# Altium PCB LAUNCHXL-F28379D-REV2.0.PcbDoc (part 3 of 4)
Units mil, origin at the board's own origin, x right, y up, seen from the top; angles counter-clockwise.
Board outline 5110 x 2300 mil, 6 copper layers (Top, GND, Route1, Route2, VDD, Bottom), stack 61.008 mil thick; 247 components, 311 nets, 1123 pads, 621 vias.
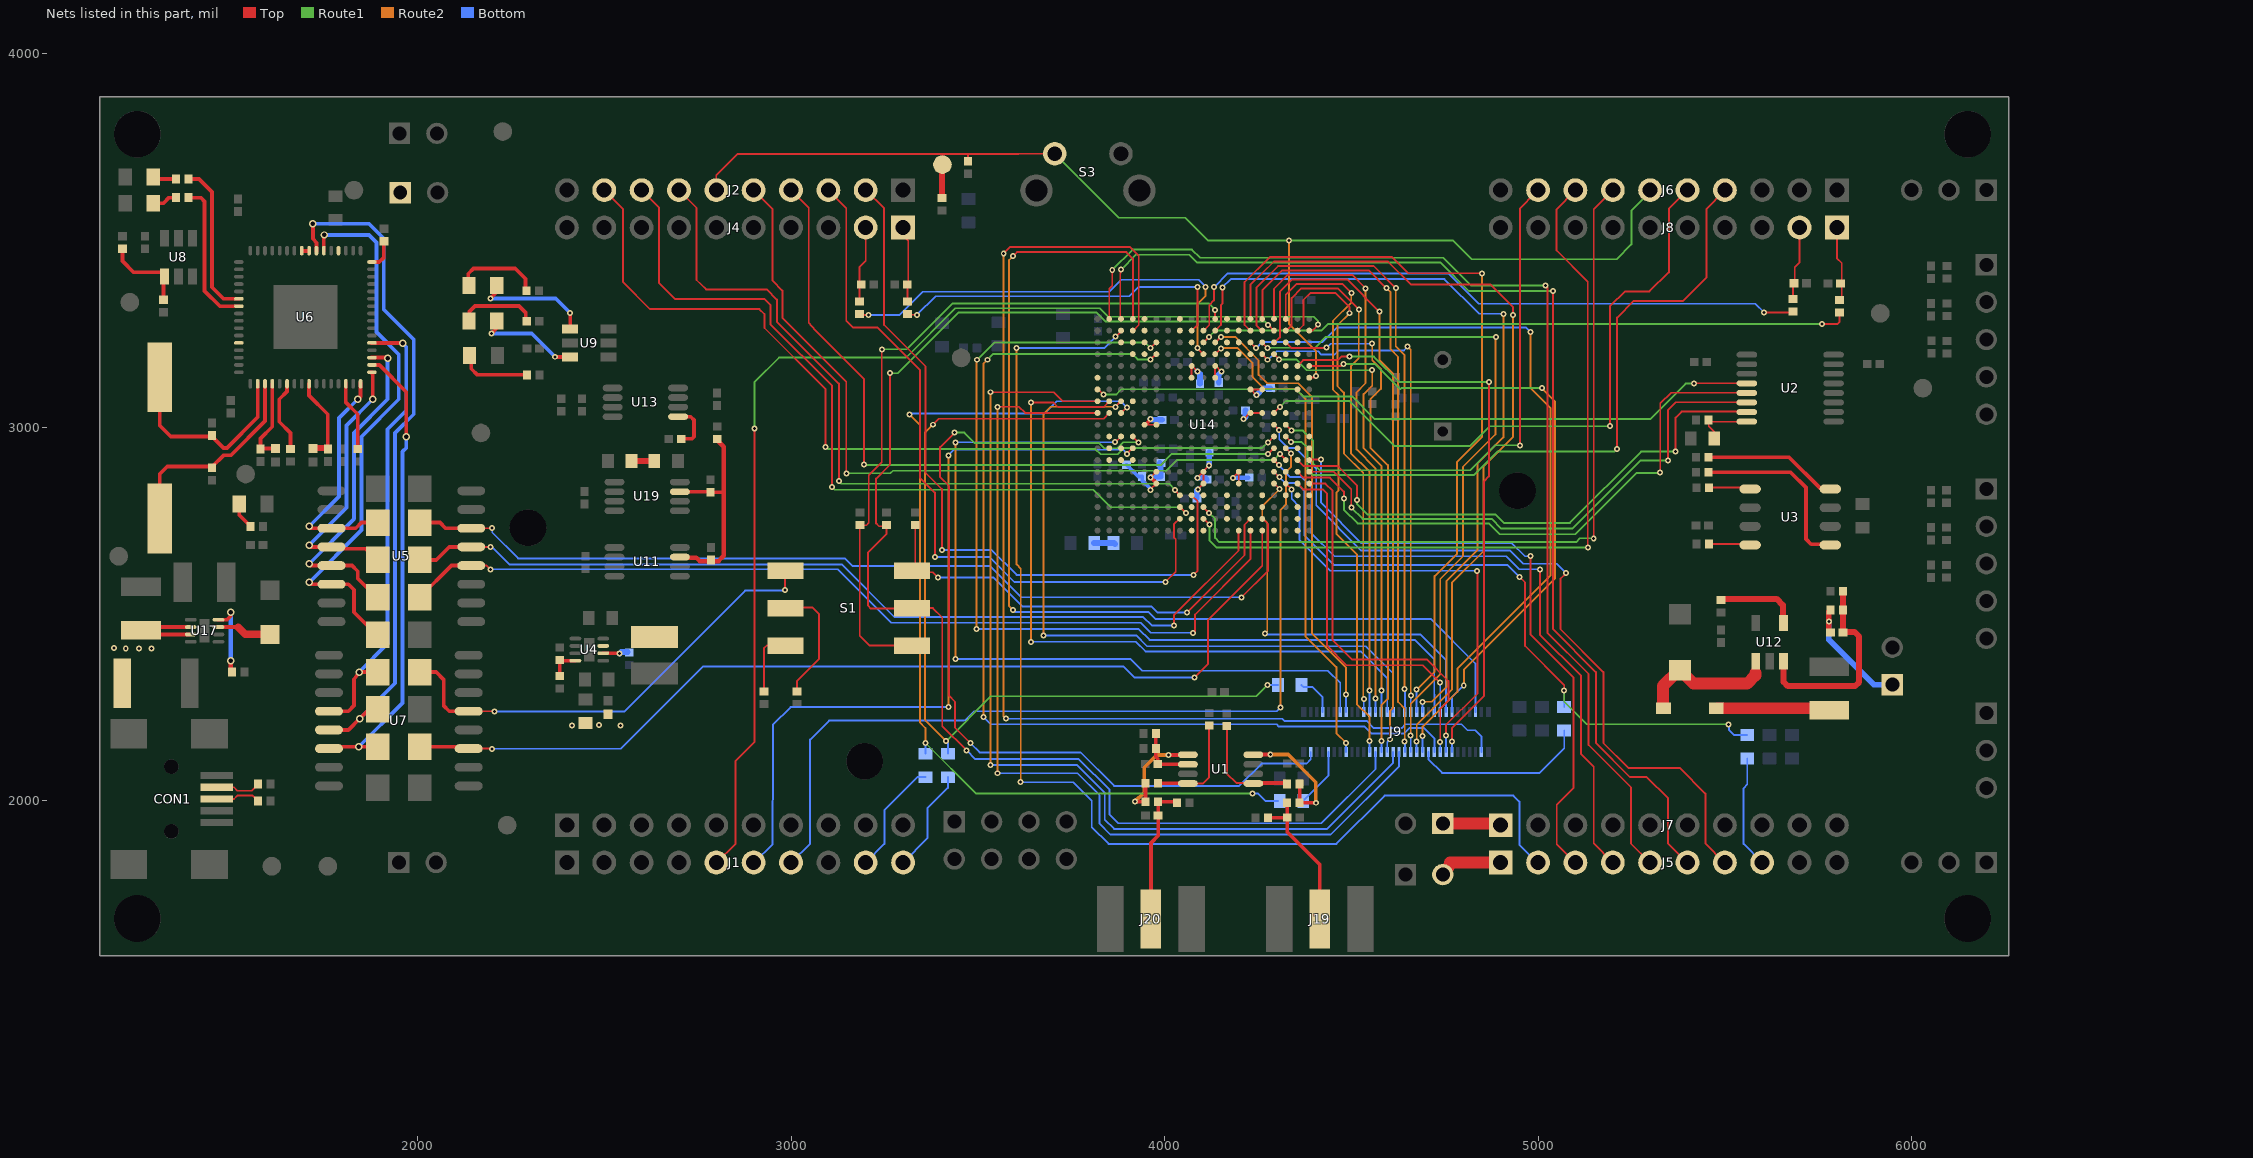
[diagram p7: the nets of this part, all layers, seen from the top]

## Via types
v1: diameter 16/16/16/16/16/16 (per signal layer), hole 8, Top to Bottom, tented both sides, 453 vias
v2: diameter 20/20/20/20/20/20 (per signal layer), hole 12, Top to Bottom, tented both sides, 122 vias
v3: diameter 16, hole 8, Top to Bottom, tented both sides, 22 vias
v4: diameter 20, hole 8, Top to Bottom, tented both sides, 16 vias
v5: diameter 23/23/23/23/23/23 (per signal layer), hole 15, Top to Bottom, tented both sides, 4 vias
v6: diameter 20, hole 12, Top to Bottom, tented both sides, 4 vias

## Nets (pads, with @x,y where several pads share a name; then routed paths per layer and width w, separated by ;. In a path a pad name is that pad's centre, name@x,y a point inside that pad or via, vN(x,y) a via of type N, cw(c..) or ccw(c..) an arc to the next point about the centre after c; other vN are vias at no path point) (continued)
GPIO46: J9.11 U14.E19 | length 1671.7
  Top w5: U14.E19@4387.5,3164.48 4472.98,3164.48 v1(4479.5,3170)
  Route1 w5: v1(4479.5,3170) 4563,3170 4631,3102 4634,3105 v1(5010,3105)
  Route2 w5: v1(4801,2309) 4801.5,2309.5 4801.5,2351.5 5045,2595 5045,3070 v1(5010,3105)
  Bottom w5: J9.11@4769.48,2237.85 4769.48,2278.02 4785.45,2293.72 ; 4785.45,2293.72 v1(4801,2309) 4800.73,2309 4785.45,2293.72
GPIO47: J9.12 U14.E18 | length 1582.8
  Top w5: U14.E18@4356.01,3164.48 4356.01,3165.01 4371,3180 4464,3180 4474,3190 4495,3190 v1(4495.5,3189.5) ; v1(4769.5,2158.5) 4769.5,2194.5 4855,2280 4855,2855 4868.5,2868.5 v1(4868.5,3121)
  Route1 w5: v1(4495.5,3189.5) 4560.5,3189.5 4629,3121 v1(4868.5,3121)
  Bottom w5: J9.12@4769.48,2131.15 4769.48,2155.98 v1(4769.5,2158.5)
GPIO48: J9.13 U14.R16 | length 1088.2
  Top w5: U14.R16@4293.02,2849.52 4293.48,2849.52 v1(4308,2835)
  Route2 w5: v1(4269,2448) 4275,2454 4275,2745 4261.57,2758.43 4261.5,2788.5 v1(4308,2835)
  Bottom w5: v1(4269,2448) 4269.5,2448 4272,2445.5 4684.5,2445.5 4753.73,2376.27 J9.13@4753.73,2237.85
GPIO49: J9.14 U14.R17 | length 1196
  Top w5: U14.R17@4324.51,2849.52 4324.51,2848.99 v1(4340.5,2834) ; v1(4753.5,2174.5) 4753.5,2203.5 4838,2287.5 4838,2614 v1(4836.5,2615.5)
  Bottom w5: v1(4340.5,2834) 4340.5,2808.5 4361,2788 4361,2699 4444,2616 4835,2616 v1(4836.5,2615.5) ; v1(4753.5,2174.5) 4753.73,2156.23 J9.14@4753.73,2131.15
GPIO50: J9.15 U14.R18 | length 920.1
  Top w5: U14.R18@4356.01,2849.52 4356.01,2848.99 4371,2834 4423,2834 4435,2822 4435,2415 4487,2363 4691.5,2363 v1(4738,2316.5)
  Bottom w5: J9.15@4737.98,2237.85 4737.98,2297.52 v1(4738,2316.5)
GPIO51: J9.16 U14.R19 | length 1024.7
  Top w5: U14.R19@4387.5,2849.52 4430.48,2849.52 4450,2830 4450,2430 4501,2379 4702,2379 4760,2321 4760,2268 4738,2246 v1(4738,2158)
  Bottom w5: J9.16@4737.98,2131.15 4737.98,2154.98 v1(4738,2158)
GPIO52: R77.1 R78.1 U14.P16 | length 1806.8
  Top w5: U14.P16@4293.02,2881.02 v1(4307.5,2866.5) ; v1(4950,2600) 4965,2585 4965,2415 5070,2310 v3(5070,2295)
  Route1 w5: v3(5070,2295) 5070,2265 5130,2205 v3(5510,2205)
  Bottom w5: v1(4307.5,2866.5) 4323,2851 4353,2851 4375,2829 4375,2710 4453,2632 4918,2632 v1(4950,2600) ; R78.1@5070,2251.5 v3(5070,2295) ; v3@5510.75,2205.75 5510.75,2190 5524.25,2176.5 R77.1@5560,2176.5
GPIO52/J5: J5.8 R77.2 | length 303.4
  Bottom w5: R77.2@5560,2113.5 5560,2044 5550,2034 5550,1885 J5.8@5600,1835
GPIO52/J9: J9.20 R78.2 | length 473.1
  Bottom w5: J9.20@4706.49,2131.15 4706.49,2111.49 4742.97,2075 5004,2075 5070,2141 R78.2@5070,2188.5
GPIO53: U14.P17
GPIO54: U2.5 U14.P18 | length 1566.5
  Top w5: U14.P18@4356.01,2881.02 4371.5,2865.5 4442.5,2865.5 4480,2828 v1(4480,2810) ; v1(5327,2879) 5327,3064.5 5356,3092.5 5559.86,3092.5 U2.5@5560,3092.64
  Route1 w5: v1(4480,2810) 4480,2780 4517,2743 4868,2743 4897,2714 5100,2714 5264,2878 5326,2878 v1(5327,2879)
GPIO55: U2.6 U14.P19 | length 1497.6
  Top w5: U14.P19@4387.5,2881.02 4452.98,2881.02 4500,2834 v1(4500,2785) ; 5347.5,2970.5 5348,2971 ; v1(5348,2911) 5348,2971 ; U2.6@5560,3067.05 5369.05,3067.05 5357.44,3055.99 ; 5348,2971 5348,3046.55 ; 5348,3046.55 5348,3047 5357.44,3055.99 ; 5348,3046.55 5357.44,3055.99
  Route1 w5: v1(4500,2785) 4530,2755 4876,2755 4902,2729 5092,2729 5274,2911 v1(5348,2911)
GPIO56/SCICIX(<-MCU): J5.4 U14.N16 | length 1772.5
  Top w5: U14.N16@4293.02,2912.51 4293.02,2911.98 v1(4306,2899) ; v1(5005,2620) 5005,2445 5115,2335 5115,2125.05 5149,2091.22 5149,1886 J5.4@5200,1835
  Bottom w5: v1(4306,2899) 4307,2898 4307,2897 4337,2867 4367,2867 4393,2841 4393,2717 4455,2655 4915,2655 4950,2620 v1(5005,2620)
GPIO57: U2.7 U14.N18 | length 1479.5
  Top w5: U14.N18@4356.01,2912.51 4371.5,2897 4463,2897 4515,2845 v1(4515,2805) ; v1(5368,2936) 5368,3026 5384,3042 5559.46,3042 U2.7@5560,3041.46
  Route1 w5: v1(4515,2805) 4515,2795 4543,2767 4885,2767 4908,2744 5085,2744 5276,2935 5367,2935 v1(5368,2936)
GPIO58/SPIAMOSI: J2.5 U14.N17 | length 2066.2
  Top w5: J2.5@2900,3635 2950.5,3584.5 2950.5,3392.5 2977,3366 2977,3293 3148,3122 v1(3148,2877) ; v1(4309,2929) 4324.51,2913.49 U14.N17@4324.51,2912.51
  Route1 w5: v1(3148,2877) 3266,2877 3273,2884 4005,2884 4034,2913 4293,2913 v1(4309,2929)
GPIO59/SPIAMISO: J2.4 U14.M16 | length 1932.4
  Top w5: J2.4@3000,3635 3047.5,3587.5 3047.5,3280.5 3065,3260 3195,3130 v1(3195,2900) ; v1(4277,2929) 4292.01,2944.01 U14.M16@4293.02,2944.01
  Route1 w5: v1(3195,2900) 3196,2899 3990,2899 4019,2929 v1(4277,2929)
GPIO60/SPICLKA: J1.7 U14.M17 | length 2357.3
  Top w5: U14.M17@4324.51,2944.01 4324.99,2944.01 v1(4339,2930)
  Route2 w5: v3(4310,2250) 4310,2778 4325,2793 4325,2881 4339,2895 v1(4339,2930)
  Bottom w5: J1.7@3000,1835 3001.01,1835.51 3051,1885.5 3051,2164 3102,2215 3465,2215 3490,2240 4300,2240 v3(4310,2250)
GPIO61/SPIACS: J2.9 U14.L16 | length 2333.1
  Top w5: J2.9@2500,3635 2550.5,3584.5 2550.5,3388.5 2622.5,3316.5 2915.5,3316.5 2929,3303 2929,3266 3092,3103 v1(3092,2947) ; v1(4277,2960) 4292.5,2975.5 U14.L16@4293.02,2975.5
  Route1 w5: v1(3092,2947) 3097,2942 3815,2942 3829,2928 3875,2928 3892,2945 4261,2945 v1(4277,2960)
GPIO62: U14.J17
GPIO63/SPIBMOSI: J6.5 U14.J16 | length 1742.3
  Top w5: U14.J16@4293.02,3038.5 4309.02,3054.5 v1(4309.5,3054.5) ; v1(5193,3003) 5193,3325 5233,3364 5298,3364 5350,3415 5350,3585.5 J6.5@5399.5,3635 ; J6.5@5399.71,3635.21 J6.5@5399.5,3635 ; J6.5@5400,3635 J6.5@5399.5,3635
  Route1 w5: v1(4309.5,3054.5) 4325,3070.5 4495.5,3070.5 4616,2950 4817,2950 4870,3003 v1(5193,3003)
GPIO64/SPIBMISO: J6.4 U14.L17 | length 1881.9
  Top w5: U14.L17@4324.51,2975.5 v1(4339,2961) ; v1(5211,2942) 5211,3293.5 5211.5,3294 5256.5,3338.5 5388.5,3338.5 5450.5,3400.5 5450.5,3583.5 5498.56,3633.5 J6.4@5500,3635 ; J6.4@5500,3635 5500.07,3635.07 J6.4@5500,3635
  Route1 w5: v1(4339,2961) 4366,2961 4383,2945 4383,2887 4398,2872 4828,2872 4891,2935 5204,2935 v1(5211,2942)
GPIO65/SPIBCLK: J5.7 U14.K16 | length 2063.1
  Top w5: U14.K16@4293.02,3007 4293.02,3006.48 v1(4307,2992.5) ; v1(5075,2610) 5060,2595 5060,2460 5175,2345 5175,2155 5241.5,2088.5 5379,2088.5 5448,2019.5 5448,1886 5499,1835 J5.7@5500,1835
  Bottom w5: v1(4307,2992.5) 4307,2968 4330,2945 4350,2945 4406,2889 4406,2791 4527,2670 4925,2670 4960,2635 5050,2635 v1(5075,2610)
GPIO66/SPIBCS: J6.9 U14.K17 | length 1456.7
  Top w5: U14.K17@4324.51,3007 4339.5,2992.01 v1(4340,2991.5) ; v1(4952,2952) 4952,3586 J6.9@4991.68,3626.5 ; J6.9@5000.07,3635.07 J6.9@5000,3635 ; J6.9@4991.68,3626.5 4998.53,3633.5 J6.9@5000,3635 ; J6.9@4991.68,3626.5 4998.59,3633.42 5000,3634.83 J6.9@5000,3635
  Route1 w5: v1(4340,2991.5) 4370.5,2991.5 4398,2964 4398,2902 4415,2885 4818,2885 4885,2952 v1(4952,2952)
GPIO67: J1.5 U14.B19 | length 2973.5
  Top w5: J1.5@2800,1835 2851.5,1885.65 2851.5,2107 2902,2157.5 v1(2902,2997) ; U14.B19@4387.5,3258.97 4395.97,3258.97 4407,3270 v1(4411,3275)
  Route1 w5: v1(2902,2997) 2902,3121 2968,3187 3308,3187 3440,3319 3826,3319 3849,3296 4399,3296 4411,3284 v1(4411,3275)
GPIO68: U14.C18
GPIO69: J9.41 U14.B18 | length 1362.9
  Top w5: U14.B18@4356.01,3258.97 4356.97,3258.97 4372,3274 4372,3341 4391,3360 4457,3360 4495.5,3321.5 v1(4495.5,3305.5)
  Route2 w5: v1(4495.5,3305.5) 4463,3273 4463,3110 4480,3093 4480,2930 4532,2878 4532,2274.5 v1(4533.5,2273)
  Bottom w5: J9.41@4533.26,2237.85 4533.26,2272.76 v1(4533.5,2273)
GPIO70: J9.40 U14.A17 | length 1556.7
  Top w5: U14.A17@4324.51,3290.46 4324.51,3355.01 4353.5,3384 4476,3384 v1(4500,3360)
  Route2 w5: v1(4500,3360) 4500,3334 4451,3285 4451,3101 4466,3086 4466,2831 4460,2825 4460,2715 4515,2660 4515,2259 4549,2225 v1(4549,2160.5)
  Bottom w5: J9.40@4549.01,2131.15 4549.01,2156.49 v1(4549,2160.5)
GPIO71: J9.39 U14.B17 | length 1415.8
  Top w5: U14.B17@4324.51,3258.97 4325.97,3258.97 4340,3273 4340,3346 4366,3372 4464,3372 v1(4520,3316)
  Route2 w5: v1(4520,3316) 4520,3185 4499,3164 4499,2931 4549,2881 v1(4549,2296)
  Bottom w5: J9.39@4549.01,2237.85 v1(4549,2296)
GPIO72: J9.38 R9.2 S1.2 U14.B16 | length 3712.6
  Top w5: v1(3265,3145) 3265,2900 3228,2863 3228,2743 3235.58,2735.42 3255.93,2735.42 3255.93,2714.93 3206.5,2665.5 3206.5,2522.5 3214,2515 3309.8,2515 S1.2@3324.31,2515.73 3324.58,2516 3380,2516 3405,2491 3405,2200 v1(3470,2135) ; v1(4277.5,3274.5) U14.B16@4293.02,3258.97
  Route1 w5: v1(3265,3145) 3286,3145 3448,3307 3818,3307 3842,3283 4269,3283 v1(4277.5,3274.5)
  Bottom w5: v1(3470,2135) 3493,2112 3769.81,2112 3853,2030 3853,1963 3876,1940 4420,1940 4564.76,2084.76 J9.38@4564.75,2131.15
GPIO73: J9.37 U14.A16 | length 1520.9
  Top w5: U14.A16@4293.02,3290.46 4293,3371 4330,3408 4502,3408 v1(4538,3372)
  Route2 w5: v1(4538,3372) 4538,3118 4514,3094 4514,2941 4564.5,2890.5 v1(4564.5,2273.5)
  Bottom w5: v1(4564.5,2273.5) 4564.76,2273.24 J9.37@4564.75,2237.85
GPIO74: J9.36 U14.C17 | length 1383.2
  Top w5: U14.C17@4324.51,3226.99 U14.C17@4324.51,3227.47 4339.98,3212 4429.5,3212 v1@4432.5,3215
  Route2 w5: v1(4556,3224) 4556,3180 4579,3157 4579,3103 4551,3075 4551,2946 4598,2899 4598,2273 4580.5,2255.5 v1(4580.5,2160)
  Bottom w5: v1(4434,3213.5) 4444.5,3224 v1(4556,3224) ; J9.36@4580.5,2131.15 v1(4580.5,2160)
GPIO75: J9.35 U14.D16 | length 1225.5
  Top w5: U14.D16@4293.02,3195.98 v1(4307,3182)
  Route1 w5: v1(4307,3182) 4352,3182 4381,3153 v1(4556,3153)
  Route2 w5: v1(4556,3153) 4556,3112 4533,3089 4533,2944 4581,2896 v1(4581,2295.5)
  Bottom w5: J9.35@4580.5,2237.85 4580.5,2295 v1(4581,2295.5)
GPIO76: J9.34 U14.C16 | length 1659.6
  Top w5: U14.C16@4293.02,3227.47 4295.47,3227.47 4309,3241 4309,3363 4342,3396 4489,3396 v1(4575,3310)
  Route2 w5: v1(4575,3310) 4575,3181 4612,3144 4612,2249 4604,2241 v1(4604,2165)
  Bottom w5: J9.34@4596.25,2131.15 4596.25,2157.25 v1(4604,2165)
GPIO77: J9.28 U14.A15 | length 1712.3
  Top w5: U14.A15@4261.52,3290.46 4262,3290.94 4262,3367 4315,3420 4547,3420 v1(4594,3373)
  Route2 w5: v1(4594,3373) 4605,3362 4605,3209 4625,3189 4625,2265 4643,2247 v1(4643,2158.5)
  Bottom w5: v1(4643,2158.5) 4643.5,2155.5 J9.28@4643.49,2131.15
GPIO78: J9.27 U14.B15 | length 1689.1
  Top w5: U14.B15@4261.52,3258.97 4260.03,3258.97 4246,3273 4246,3374 4304,3432 4560,3432 v1(4619,3373)
  Route2 w5: v1(4619,3373) 4619,3217 4642.5,3193.5 v1(4642.5,2299)
  Bottom w5: v1(4642.5,2299) 4643.5,2298 J9.27@4643.49,2237.85
GPIO79: J9.26 U14.C15 | length 1849.4
  Top w5: U14.C15@4261.52,3227.47 4261.52,3226.48 v1(4275,3213)
  Route1 w5: v1(4275,3213) 4403,3213 4432,3242 v1(4887,3242)
  Route2 w5: v1(4659,2174.5) 4659,2260 4738,2339 4738,2594 4799,2655 4799,2894 4886,2981 4886,3241 v1(4887,3242)
  Bottom w5: v1(4659,2174.5) 4659.24,2169.26 J9.26@4659.24,2131.15
GPIO80: J9.25 U14.D15 | length 1399
  Top w5: U14.D15@4261.52,3195.98 4261.52,3195.48 v1(4276,3181)
  Route2 w5: v1(4651,3216) 4659.24,3207.76 v1(4659.24,2282.76)
  Bottom w5: v1(4276,3181) 4277,3181 4291.4,3195 4300,3203.6 4411.4,3203.6 4420,3195 4455,3195 4466,3206 4641,3206 v1(4651,3216) ; J9.25@4659.24,2237.85 v1(4659.24,2282.76)
GPIO81: J9.24 U14.A14 | length 2169.6
  Top w5: U14.A14@4230.02,3290.46 4230,3382 4293,3444 4598,3444 4660,3382 4873,3382 4933,3322 v1(4933,3301) v1@4932,3300
  Route2 w5: v1(4675,2158.5) 4675,2204 4770,2299 4770,2585 4854,2669 4854,2896 4933,2975 v1(4933,3301)
  Bottom w5: J9.24@4674.99,2131.15 4674.99,2154.49 v1(4675,2158.5)
GPIO82: J9.23 U14.B14 | length 2065.6
  Top w5: U14.B14@4230.02,3258.97 4229.53,3258.97 4214,3274.5 4214,3389 4282,3456 4609,3456 4652.5,3412.5 v1(4850,3412.5)
  Route2 w5: v1(4675,2298) 4723,2346 4723,2602 4783,2662 4783,2908 4850,2975 v1(4850,3412.5)
  Bottom w5: J9.23@4674.99,2237.85 4674.99,2291.51 v1(4675,2298)
GPIO83: J9.22 U14.C14 | length 2072.2
  Top w5: U14.C14@4230.02,3227.47 4230.02,3225.98 v1(4245,3212)
  Route2 w5: v1(4691,2174) 4691,2199 4784,2292 4784,2354 5033,2603 5033,3052 4980,3105 v1(4980,3255)
  Bottom w5: v1(4245,3212) 4262,3229 4423,3229 4461,3267 4968,3267 v1(4980,3255) ; J9.22@4690.74,2131.15 4690.74,2167.24 v1(4691,2174)
GPIO84: R8.2 S1.1 U14.A11 | length 1924.5
  Top w5: R8.2@3184.77,2735.1 3184,2734.33 3184,2442 3210.27,2415.73 S1.1@3324.31,2415.73 ; R8.2@3184.77,2738.06 3202.06,2738.06 3208,2744 3208,2872 3243,2907 v1(3243,3209) ; v1(4135.5,3314.5) 4135.5,3292.5 U14.A11@4135.54,3290.46
  Route1 w5: v1(3243,3209) 3310,3209 3433,3332 4118,3332 v1(4135.5,3314.5)
GPIO85: J9.21 U14.B11 | length 2094.3
  Top w5: U14.B11@4135.03,3258.97 4135.97,3258.97 4151,3274 4151,3327 4155,3331 v1(4155,3374.5)
  Route2 w5: v1(4690.74,2265.26) 4715.26,2265.26 4755,2305 4755,2589 4838,2672 4838,2904 4907,2973 v1(4907,3304)
  Bottom w5: v1(4155,3374.5) 4177.51,3397.01 4748.99,3397.01 4842,3304 v1(4907,3304) ; J9.21@4690.74,2237.85 v1(4690.74,2265.26)
GPIO86: J9.47 U14.C11 | length 1236.1
  Top w5: U14.C11@4135.54,3227.47 4136.47,3227.47 v1(4151,3242)
  Route2 w5: v1(4151,3242) 4189,3242 4252,3179 4252,3140.37 4274.37,3118 4358,3118 4395,3081 4395,2448 4486,2357 4486,2285.5 v1(4485.5,2285)
  Bottom w5: v1(4485.5,2285) 4486.02,2284.48 J9.47@4486.01,2237.85
GPIO87: J9.48 U14.D11 | length 1317
  Top w5: U14.D11@4135.54,3195.98 4135.98,3195.98 v1(4151.5,3211.5)
  Route2 w5: v1(4151.5,3211.5) 4151.5,3212 4196,3212 4235,3173 4235,3135 4267,3103 4350,3103 4377,3076 4377,2441 4460,2358 4460,2181.02 v1(4486.02,2155)
  Bottom w5: J9.48@4486.01,2131.15 v1(4486.02,2155)
GPIO88: J9.17 U14.C6 | length 2633.3
  Top w5: v1(3963,3212) 3964.58,3214 U14.C6@3978.06,3227.47
  Route1 w5: v1(3498,3181) 3544,3227 3949,3227 v1(3963,3212)
  Route2 w5: v1(3497,2460) 3497,3180 v1(3498,3181)
  Bottom w5: v1(3497,2460) 3931,2460 3960,2431 4670,2431 4722,2379 4722,2299 4722.24,2272.76 J9.17@4722.23,2237.85
GPIO89: J9.18 U14.D6 | length 2710.7
  Top w5: v1(3963,3182) 3976.98,3195.98 U14.D6@3978.06,3195.98
  Route1 w5: v1(3526,3181) 3539.93,3196 3914,3196 3928,3182 v1(3963,3182)
  Route2 w5: v1(3515,2225) 3515,3170 v1(3526,3181)
  Bottom w5: v1(3515,2225) 3535,2205 4300,2205 4306,2199 4536,2199 4555,2180 4640,2180 4655,2195 4695,2195 4722.23,2167.77 J9.18@4722.23,2131.15
GPIO90: U14.A5
GPIO91: U14.B5
GPIO92: J9.3 U14.A4 | length 2877.1
  Top w5: v1(3594.5,3458.5) 3605,3469 3898,3469 3915.06,3451.94 3915.06,3322.44 ; 3915,3322.5 3915.06,3322.44 ; U14.A4@3915.06,3290.46 3915.06,3322.44
  Route2 w5: v1(3594,2511) 3584,2521 3584,3448 v1(3594.5,3458.5)
  Bottom w5: v1(3594,2511) 3599,2506 3956,2506 3975,2487 4713,2487 4832.47,2367.53 J9.3@4832.47,2237.85
GPIO93: J9.2 U14.B4 | length 3177
  Top w5: v1(3569.5,3465.5) 3587,3483 3907.36,3483 3909.18,3481.18 3931,3460 3931,3274 3915.97,3258.97 U14.B4@3915.06,3258.97
  Route2 w5: v1(3569.5,3465.5) 3569,3460 3569,2226 v1(3575,2220)
  Bottom w5: v1(3575,2220) 4315,2220 4321,2214 4541,2214 4560,2195 4635,2195 4645,2205 4795,2205 4811,2189 4832,2189 4848.22,2172.78 J9.2@4848.22,2131.15
GPIO94: J5.6 U14.A3 | length 3051.4
  Top w5: U14.A3@3881.57,3290.46 3881.57,3409.07 v1(3883.5,3422) ; v1(5040,3365) 5040,2460 5155,2345 5155,2155.05 5246.1,2063.5 5291,2063.5 5348,2006.5 5348,1885.5 5397.99,1835.51 5397.99,1835 J5.6@5400,1835
  Route1 w5: v1(3883.5,3422) 3923.5,3462 4066,3462 4087,3441 4739,3441 4815,3365 v1(5040,3365)
GPIO95: J5.2 U14.B3 | length 3156.3
  Top w5: v1(3869,3243) 3883.57,3257.57 U14.B3@3883.57,3258.97
  Route2 w5: v1(3604,3212) 3604,2633 3615,2622 v1(3615,2050)
  Bottom w5: v1(3604,3212) 3839,3212 3869,3242 v1(3869,3243) ; v1(3615,2050) 3755,2050 3805,2000 3805,1930 3850,1885 4460,1885 4589,2014 4934,2014 4950,1998 4950,1883 4998,1835 J5.2@5000,1835
GPIO96: U14.C3
GPIO97: J5.5 U14.A2 | length 3025.4
  Top w5: U14.A2@3852.07,3290.46 3852.07,3371.07 3860,3379 v1(3860,3421.5) ; v1(5020,3380) 5025,3375 5025,2450 5135,2340 5135,2150 5248.72,2036.28 5248.72,1885.28 5298.49,1835.51 5298.49,1835 J5.5@5300,1835
  Route1 w5: v1(3860,3421.5) 3914.5,3476 4073,3476 4095,3454 4746,3454 4820,3380 v1(5020,3380) 5020,3379.5 v1@5024.5,3375
GPIO98: U14.F1
GPIO99: U2.4 U14.G1 | length 1823.6
  Top w5: U14.G1@3820.58,3101.49 3822.51,3101.49 v1(3836,3088) ; v1(5417,3117) 5420,3118 5559.77,3118 U2.4@5560,3118.23
  Route1 w5: v1(3836,3088) 3871,3088 3884,3102 4351,3102 4371,3083 4502,3083 4563,3022 5300,3022 5395,3117 v1(5417,3117)
GPIO100: J9.32 U14.H1 | length 2588
  Top w5: v1(3534,3094) 3703,3094 3727.01,3069.99 U14.H1@3820.58,3069.99
  Route2 w5: v1(3534,2096) v1(3534,3094)
  Bottom w5: v1(3534,2096) 3766,2096 3840,2022 3840,1950 3865,1925 4435,1925 4612,2102 J9.32@4612,2131.15
GPIO101: J9.33 U14.H2 | length 1948.3
  Top w5: v1(3642,3067) 3702,3067 3714.5,3054.5 3837,3054.5 3852.07,3069.57 U14.H2@3852.07,3069.99
  Route2 w5: v1(3642,2426) v1(3642,3067)
  Bottom w5: v1(3642,2426) 3923,2426 3949,2400 4525,2400 4596.25,2328.75 J9.33@4596.25,2237.85
GPIO102: J9.31 U14.H3 | length 1896.4
  Top w5: v1(3868.5,3055) 3882.49,3069.99 U14.H3@3883.57,3069.99
  Route2 w5: v1(3676,2443) 3676,3036 3695,3055 v1(3868.5,3055)
  Bottom w5: v1(3676,2443) 3924,2443 3953,2414 4539,2414 4612,2341 J9.31@4612,2237.85
GPIO103: J9.30 U14.J1 | length 2556.9
  Top w5: v1(3553,3055) 3610,3055 3626.5,3038.5 U14.J1@3820.58,3038.5
  Route2 w5: v1(3553,2074) v1(3553,3055)
  Bottom w5: v1(3553,2074) 3767,2074 3826,2015 3826,1939 3855,1910 4445,1910 4628,2093 4628,2130.9 J9.30@4627.75,2131.15
GPIO104/I2CSDAA: R71.1 R72.1 U14.J2 | length 2350.8
  Top w5: v1(3380,3007) 3396.07,3023.07 3836.64,3023.07 U14.J2@3852.07,3038.5
  Route1 w5: v3(3415,2160) 3535,2280 4245,2280 v3(4275,2310)
  Route2 w5: v1(3380,3007) 3358.32,2985.32 3358.32,2216.68 v3(3415,2160)
  Bottom w5: v3(3415,2160) 3420,2155 R71.1@3420,2126.5 ; v3(4275,2310) R72.1@4303.5,2310
GPIO104/I2CSDAA/J1: J1.10 R71.2 | length 278.2
  Bottom w5: J1.10@3300,1835 3365,1900 3365,1980 3420,2035 R71.2@3420,2063.5
GPIO104/I2CSDAA/J9: J9.55 R72.2 | length 109.3
  Bottom w5: R72.2@4366.5,2310 4371.5,2305 4395,2305 4423.02,2276.98 J9.55@4423.02,2237.85
GPIO105/I2CSCLA: R73.1 R74.1 U14.J3 | length 2558
  Top w5: U14.J3@3883.57,3038.5 3887.07,3042 v1(3899,3053)
  Route1 w5: v3(3360,2155) 3495,2020 v3(4235,2020)
  Route2 w5: v1(3317.67,3034.31) 3345,3007.02 3345,2210 3360,2195 v3(3360,2155)
  Bottom w5: v1(3317.67,3034.31) 3320.35,3037 3678,3037 3711,3070 3884,3070 v1(3899,3053) ; R73.1@3360,2126.5 v3(3360,2155) ; v3(4235,2020) 4250,2020 4270,2000 R74.1@4303.5,2000
GPIO105/I2CSCLA/J1: J1.9 R73.2 | length 307.4
  Bottom w5: J1.9@3200,1835 3250,1885 3250,1975 3338.5,2063.5 R73.2@3360,2063.5
GPIO105/I2CSCLA/J9: J9.54 R74.2 | length 159
  Bottom w5: R74.2@4371.5,2000 4438.77,2067.27 J9.54@4438.77,2131.15
GPIO106: U14.L2 | length 0.4
  Top w5: U14.L2@3852.07,2975.07 U14.L2@3852.07,2975.5
GPIO107: J9.49 U14.L3 | length 2164.3
  Top w5: v1(3867.5,2960.5) 3882,2974 U14.L3@3883.57,2975.5
  Route2 w5: v1(3440,2379.5) v1(3440,2959.5)
  Bottom w5: v1(3440,2379.5) 3909,2379.5 3940,2348.5 4437.5,2348.5 4470.27,2315.73 J9.49@4470.27,2237.85 ; v1(3440,2959.5) 3440.5,2960 v1(3867.5,2960.5)
GPIO108: J9.60 U14.L4 | length 2426.8
  Top w5: v1(3438,2986) 3399,2947 3399,2867 3423,2843 3423,2281 3439,2265 3439,2196 v1(3480,2155) ; U14.L4@3915.06,2975.5 3915.06,2974.94 v1(3930,2960)
  Route1 w5: v1(3438,2986) 3464,2986 3492,2958 3825,2958 3839,2944 3873,2944 3889,2960 v1(3930,2960)
  Bottom w5: v1(3480,2155) 3505,2130 3775,2130 3865,2040 4200,2040 4260,2100 4380,2100 4391.53,2111.53 J9.60@4391.53,2131.15
GPIO109: U14.N2 | length 0.6
  Top w5: U14.N2@3851.49,2912.51 U14.N2@3852.07,2912.51
GPIO110: U14.M2
GPIO111: J1.6 U14.M4 | length 2065.4
  Top w5: v1(3899,2929) 3914.01,2944.01 U14.M4@3915.06,2944.01
  Route2 w5: v1(3421,2925) 3422,2924 v1(3422,2251.5)
  Bottom w5: J1.6@2900,1835 2901.16,1835.16 2950.5,1884.5 2951.5,2119.5 2951.5,2203.5 2999,2251 3410.5,2251 v1(3422,2251.5) ; v1(3421,2925) 3436,2940 3889,2940 v1(3899,2929)
GPIO112: U14.M3
GPIO113: U14.N4
GPIO114: U14.N3
GPIO115: U14.V12
GPIO116: U14.W10
GPIO117: U14.U12 | length 0.5
  Top w5: U14.U12@4167.03,2786.53 U14.U12@4167.03,2787.03
GPIO118: U14.T12
GPIO119: U14.T15
GPIO120: U14.U15
GPIO121: U14.W16
GPIO122/SD1D1: J2.7 U14.T8 | length 1981.2
  Top w5: J2.7@2700,3635 2747,3588 2747,3394.5 2772.5,3369.5 2934.5,3369.5 2962,3342 2962,3283 3128,3117 v1(3128,2856) ; v1(4028,2832) 4041.05,2818.95 U14.T8@4041.05,2818.02
  Route1 w5: v1(3128,2856) 3135,2849 4012,2849 4028,2833 v1(4028,2832)
GPIO123/SD1CLK1: J2.8 U14.U8 | length 2145
  Top w5: J2.8@2600,3635 2647,3588 2647,3386 2689.5,3343.5 2929.5,3343.5 2945,3328 2945,3276 3110,3111 v1(3110,2840) ; U14.U8@4041.05,2786.53 4041.47,2786.53 4057,2771 v1(4057.09,2771)
  Route1 w5: v1(3110,2840) 3117,2833 3809,2833 3856,2786 4041,2786 4056,2771 v1(4057.09,2771)
GPIO124/SD1D2: J2.3 U14.V8 | length 1973.3
  Top w5: J2.3@3100,3635 3148,3587 3148,3285 3166,3267 3232,3267 3345,3154 3345,2865.5 3385,2825.5 v1(3385,2653) ; v1(4002,2586) 4030,2614 4030,2700 4025.5,2705 4025.5,2742 4040.03,2755.03 U14.V8@4041.05,2755.03
  Bottom w5: v1(3385,2653) 3531,2653 3598,2586 v1(4002,2586)
GPIO125/SD1CLK2: J2.2 U14.T9 | length 1972.7
  Top w5: J2.2@3200,3635 3249,3586 3249,3274 3360,3163 3360,2879 3404,2835 v1(3404,2672) ; U14.T9@4072.54,2818.02 4072.54,2817.46 4088.5,2802.5 4088.5,2616.5 v1(4077,2605)
  Bottom w5: v1(3404,2672) 3536,2672 3604,2605 v1(4077,2605)
GPIO126: U14.U9
GPIO127: U14.V9
GPIO128: U14.W9
GPIO129: U14.T10
GPIO130/SD2D1: J6.7 U14.U10 | length 2071.6
  Top w5: U14.U10@4104.04,2786.53 4118.5,2771.57 v1(4119.5,2770.5) ; v1(5149,2703) 5149,3584.5 5199.71,3635.21 5199.93,3635 J6.7@5200,3635
  Route1 w5: v1(4119.5,2770.5) 4135.5,2755.5 4135.5,2704 4146,2693 5102,2693 5112,2703 v1(5149,2703)
GPIO131/SD2CLK1: J6.8 U14.V10 | length 2097.9
  Top w5: U14.V10@4104.04,2755.03 4104.97,2755.03 v1(4120,2740) ; v1(5133,2678) 5133,3390 5049.5,3473.5 5049.5,3583.5 5098.53,3633.5 J6.8@5100,3635 ; J6.8@5100,3635 5100.07,3635.07 J6.8@5100,3635
  Route1 w5: v1(4120,2740) 4120,2698 4140,2678 v1(5133,2678)
GPIO132: U14.W18
GPIO133: U14.G18
GPIO134: U14.V18
GPIO135: U14.U18
GPIO136: U14.T17
GPIO137: U14.T18
GPIO138: U14.T19
GPIO139/SCICRX(->MCU): J5.3 U14.N19 | length 1675.2
  Top w5: U14.N19@4387.5,2912.51 4388.49,2913.5 v1(4419,2913.5) ; v1(4980,2655) 4980,2445 5095,2330 5095,2035 5050,1990 5050,1884 5099,1835 J5.3@5100,1835
  Bottom w5: v1(4419,2913.5) 4419,2798 4527,2690 4930,2690 4965,2655 v1(4980,2655)
GPIO140: U14.M19
GPIO141: U14.M18
GPIO142: U14.L19
GPIO143: U14.F18
GPIO144: U14.F17
GPIO145: U14.E17
GPIO146: U14.D18
GPIO147: U14.D17
GPIO148: U14.D14
GPIO149: U14.A13
GPIO150: U14.B13
GPIO151: U14.C13
GPIO152: U14.D13
GPIO153: U14.A12
GPIO154: U14.B12
GPIO155: U14.C12
GPIO156: U14.D12
GPIO157: R40.1 U14.B10 | length 1741.1
  Top w5: U14.B10@4104.04,3258.97 4104.47,3258.97 4119.5,3274 4119.5,3327.5 4132,3340 4132,3372 v1(4132.5,3375.5) ; v1(5605,3307.5) R40.1@5686.82,3307.5
  Bottom w5: v1(4132.5,3375.5) 4169,3412 4760,3412 4841,3331 5581.5,3331 v1(5605,3307.5)
GPIO158: R41.1 U14.C10 | length 1748.1
  Top w5: U14.C10@4104.04,3227.47 4104.47,3227.47 v1(4119,3242) ; v1(5760.5,3276.5) 5801,3276.5 5806.5,3282 5806.5,3304.17 R41.1@5806.83,3304.5
  Route1 w5: v1(4119,3242) 4136,3259 4420,3259 4438,3277 5760,3277 v1(5760.5,3276.5)
GPIO159: R36.1 U14.D10 | length 1169.1
  Top w5: R36.1@3183.64,3300.6 3207.1,3300.6 v1(3207.5,3301) ; v1(4088,3212) U14.D10@4104.04,3195.98
  Route2 w5: v1(4088,3212) 4088,3330 4110,3352 v1(4110,3376)
  Bottom w5: v1(3207.5,3301) 3291,3301 3353,3363 3852,3363 3884,3395 4091,3395 v1(4110,3376)
GPIO160: R37.1 U14.B9 | length 931
  Top w5: R37.1@3311.66,3300.78 3311.76,3300.78 3328.66,3301.34 v1(3337,3301) ; U14.B9@4072.54,3258.97 4088,3273.93 v1(4088,3376)
  Bottom w5: v1(3337,3301) 3387,3351 3906,3351 3931,3376 v1(4088,3376)
GPIO161: U14.C9
GPIO162: U14.D9
GPIO163: U14.A8
GPIO164: U14.B8
GPIO165: U14.C5
GPIO166: U14.D5
GPIO167: U14.C4
GPIO168: U14.D4
JTAG_TRST: R28.2 S1.4 U7.5 | length 1250
  Top w5: U7.5@2131.1,2240 U7.5@2137.01,2240 2205,2240 v1(2206,2239) ; v1(2984,2564) 2984,2614 S1.4@2985.73,2615.73
  Top w10: R28.2@2005.98,2345 2050,2345 2070,2325 2070,2255 2085,2240 U7.5@2131.1,2240
  Bottom w5: v1(2206,2239) 2554,2239 2877,2563 2981,2563 v1(2984,2564)
NC: U14.H4
NetC6_2: C6.2 U13.5 | length 127.3
  Top w10: U13.5@2697.6,3028.61 2731.39,3028.61 2740,3020 2740,2975 2734.2,2969.2 C6.2@2706.1,2969.2
NetC7_2: C7.2 C19.2 R3.2 U11.3 U19.3 | length 566.4
  Top w10: U11.3@2700.11,2651.3 U11.3@2700.22,2651.4 ; U19.3@2702.6,2827.8 2782.5,2827.8 C7.2@2784.15,2826.15 2816.15,2826.15 2820,2830
  Top w12: U11.3@2700.22,2651.4 2746.6,2651.4 2756,2642 2785.07,2642 2785.47,2641.6 2785.87,2642 2806,2642 2820,2656 2820,2830 2820,2947.93 R3.2@2802.41,2965.52
NetC10_2: C10.2 L2.1 U6.9 | length 276.6
  Top w10: U6.9@1709.84,3116.85 1709.84,3085.16 1760,3035 1760,2945 C10.2@1760,2944.69 ; L2.1@1720,2945 1720.16,2944.84 1720.32,2944.69 1759.68,2944.69 C10.2@1760,2944.69 ; C10.2@1760,2941.73 C10.2@1760,2944.69
  Top w16: L2.1@1720,2944.69 1720.16,2944.84 1720.32,2945 1760,2945 C10.2@1759.68,2944.69
NetC11_2: C11.2 L1.1 U6.4 | length 228.7
  Top w10: U6.4@1611.42,3116.85 1611.42,3001.42 1580,2970 C11.2@1580,2941.73 1581.38,2943.11 L1.1@1620,2943.11
NetC17_2: C17.2 Q3.1 U6.2 | length 541.7
  Top w10: Q3.1@1310,3135 Q3.1@1310,3133.98 1310,3005 1339.69,2975.32 1450,2975.32 1480.32,2945 1490,2945 1572.05,3027.05 U6.2@1572.05,3117.83
NetC18_2: C18.2 Q3.2 U6.3 | length 561.8
  Top w10: Q3.2@1310,2755 Q3.2@1310,2756.02 1310,2875 1330,2895 1449.69,2895 1450,2894.69 1480.32,2925 1500,2925 1591.73,3016.73 U6.3@1591.73,3117.83
NetC20_2: C20.2 J19.2 R56.2 R59.2 | length 402.7
  Top w10: R59.2@4276.73,1955 C20.2@4328.27,1955 ; R56.2@4328.27,1995 C20.2@4328.27,1955 ; J19.2@4415.5,1680 J19.2@4415.5,1683.5 4415.5,1829.5 4328.27,1916.73 C20.2@4328.27,1955
NetC21_2: C21.2 R60.2 R61.1 U1.2 | length 165.1
  Top w10: R60.2@3976.73,2180 R61.1@3976.73,2140 3976.73,2118.27 3981.97,2113.03 C21.2@3981.97,2098.24 ; C21.2@3982.42,2097.8 U1.2@4062.4,2097.8 ; U1.2@4066,2098.24 U1.2@4066,2099.41
NetC23_2: C23.2 R11.1 | length 61.5
  Top w16: R11.1@2572.9,2909.36 2633.45,2909.36 C23.2@2634.1,2910.01
NetC25_1: C25.1 R17.2 R45.1 U12.3 | length 551.3
  Top w16: U12.3@5656.9,2374.82 5656.9,2318.6 5668.5,2307 5848.5,2307 5859.5,2318 5859.5,2440 5847.5,2452 5820.19,2452 5819.19,2451 5816.23,2453.96 R17.2@5816.23,2511 R45.1@5816.23,2561 R45.1@5819.19,2558.04
NetC25_2: C25.2 C41.1 D3.1 JP6.1 R17.1 | length 631.3
  Top w15: C25.2@5782.77,2451 5778.5,2455.27 v1(5778.5,2480) 5778.5,2506.73 R17.1@5782.77,2511
  Top w32: D3.1@5481.3,2248 5745.51,2248 5778.17,2238.4 C41.1@5779.5,2238.01
  Bottom w15: v1(5778.5,2480) 5778.5,2431.5 5899.03,2310.97 JP6.1@5948.25,2310.97
NetC38_2: C38.2 R52.1 | length 57.8
  Bottom w16: C38.2@3811.5,2690 R52.1@3863.5,2690 3864.67,2690 3867.52,2687.15 R52.1@3867.94,2687.57
NetC82_2: C82.2 J20.2 R62.2 R63.2 | length 380.4
  Top w10: J20.2@3963.5,1682 J20.2@3963.5,1683.5 3963.5,1887.5 3982.79,1906.79 C82.2@3982.79,1958.14 ; C82.2@3986,1960.83 3985.74,1961.09 C82.2@3982.79,1958.14 ; R62.2@4033.27,1995 4030.67,1997.6 R63.2@3982.26,1997.6 3982.79,1997.07 C82.2@3982.79,1961.09 C82.2@3982.79,1958.14
NetCON1_2: CON1.2 R15.1 | length 125.6
  Top w4.9: CON1.2@1463.05,2036.49 1508.8,2036.49 1518.05,2027.24 1556,2027.24 1570.82,2042.06 1570.82,2042.55 R15.1@1573.27,2045
  Top w10: CON1.2@1459.11,2036.5 CON1.2@1463.05,2036.49
NetCON1_3: CON1.3 R33.1 | length 123.9
  Top w4.9: CON1.3@1463.05,2005 1508.8,2005 1518.05,2014.24 1559.02,2014.24 R33.1@1573.27,2000
  Top w10: CON1.3@1459.11,2005 CON1.3@1463.05,2005
NetD1_2: D1.2 R1.1 | length 194.9
  Top w10: D1.2@2144,3198.74 2144,3157 2160.47,3140.53 R1.1@2290.32,3140.53
NetD3_2: D3.2 L6.2 U12.1 | length 388.6
  Top w16: 5581.5,2342 5582.1,2342.6 U12.1@5582.1,2374.82
  Top w32: D3.2@5331.7,2248 5331.87,2248.8 5332.8,2253.19 5334.5,2261.2 5334.5,2308 5377.5,2351 5379.5,2351 5416.5,2314 5559.5,2314 5581.5,2336 5581.5,2342
NetD4_2: D4.2 R46.1 | length 72.7
  Top w10: D4.2@1522.6,2795 1522.6,2765.67 R46.1@1553.27,2735
NetD7_1: D7.1 R26.2 | length 57.9
  Top w10: D7.1@1292.4,3665 R26.2@1350.32,3665
NetD8_1: D8.1 R27.2 | length 69.1
  Top w10: D8.1@1292.4,3600 1320,3600 1335,3615 R27.2@1353.27,3615 R27.2@1355.32,3615
NetD9_1: D9.1 U9.6 | length 276.7
  Top w10: v1(2198,3251) 2212.4,3265.4 D9.1@2212.4,3285 ; v1(2368,3189) 2368.91,3188.09 U9.6@2408.73,3188.09
  Bottom w10: v1(2198,3251) 2306,3251 v1(2368,3189)
NetD9_2: D9.2 R38.1 | length 213.1
  Top w10: D9.2@2139.23,3284.57 2139,3284.8 2139,3310 2154,3325 2272,3325 2289.54,3307.46 R38.1@2289.54,3283.86
NetD10_1: D10.1 U9.4 | length 315.4
  Top w10: v1(2195,3345) 2212.4,3362.4 D10.1@2212.4,3380 ; U9.4@2408.73,3262.89 v1(2408.72,3306.28)
  Bottom w10: v1(2195,3345) 2370,3345 v1(2408.72,3306.28)
NetD10_2: D10.2 R39.1 | length 248.7
  Top w10: D10.2@2135.98,3364.91 2135.98,3410.98 2150,3425 2262,3425 2289,3398 2289,3365.69 R39.1@2288.81,3365.5
NetJ5_1: J5.1 JP4.2 | length 173.3
  Top w5: J5.1@4893.02,1835 J5.1@4900,1835
  Top w32: JP4.2@4744.91,1802.68 4760.5,1822.76 4764.5,1834.5 J5.1@4893.01,1835.01
NetJ7_1: J7.1 JP5.1 | length 163
  Top w5: J7.1@4901.67,1942 4903.74,1939.94 J7.1@4903.74,1938.74
  Top w32: JP5.1@4744.91,1939.61 4899.99,1939.93 J7.1@4903.74,1939.94
NetL7_2: L7.2 U17.7 | length 150.8
  Top w10: U17.7@1467.2,2465.31 1519.69,2465.31
  Top w20: 1519.69,2465.31 1539.06,2445.94 L7.2@1605,2445.94 L7.2@1610,2445.94
NetL8_1: L8.1 U4.7
NetR2_2: R2.2 R79.1 U2.8 | length 156.9
  Top w5: R2.2@5456.73,3020 5456.73,3003.27 5471.5,2988.5 R79.1@5471.5,2970 ; R2.2@5459.73,3015 5558.87,3015 5559.87,3016 U2.8@5560,3015.87
NetR4_1: R4.1 S1.6 | length 174.2
  Top w5: R4.1@2927.6,2295.73 2927.6,2408.61 2935,2416 2985.45,2416 S1.6@2985.73,2415.73
NetR5_1: R5.1 S1.5 | length 326
  Top w5: S1.5@2985.73,2515.73 2988,2518 3057,2518 3075,2500 3075,2380 3016.4,2321.4 R5.1@3016.4,2295.97
NetR12_2: R12.2 R31.1 U8.1 | length 226
  Top w10: R12.2@1210,3475.32 1210,3445 1240,3415 1321.42,3415 1322.6,3413.82 1320,3411.22 R31.1@1320,3344.69
NetR14_2: R14.2 U12.4 | length 220.3
  Top w16: R14.2@5489.5,2540.68 5638.81,2540.68 5655.5,2524 5655.5,2478.58 U12.4@5656.9,2477.18
NetR16_1: R16.1 U5.6 U6.38 | length 1502.6
  Top w10: v2(1710,2585) 1715,2580 U5.6@1770,2580 1815,2580 1830,2565 1830,2505 1890,2445 R16.1@1894.02,2445 ; U6.38@1749.21,3472.17 1749.21,3504.21 v2(1750,3515)
  Bottom w10: v2(1710,2585) 1850,2725 1850,2975 1950,3075 1950,3195 1890,3255 1890,3495 1870,3515 v2(1750,3515)
NetR18_1: R18.1 U5.5 U6.19 | length 913.5
  Top w10: v2(1710,2635) 1715,2630 U5.5@1770,2630 1825,2630 1840,2615 1840,2595 1890,2545 R18.1@1894.02,2545 ; U6.19@1877.17,3186.73 1918.27,3186.73 v2(1920,3185)
  Bottom w10: v2(1710,2635) 1830,2755 1830,2985 1920,3075 v2(1920,3185)
NetR19_1: R19.1 U5.4 U6.17 | length 740.3
  Top w10: v2(1710,2685) 1715,2680 1768.9,2680 1768.9,2683.9 1770,2685 1780,2675 1860,2675 1890,2645 R19.1@1894.02,2645 ; U6.17@1877.17,3147.36 1877.3,3147.03 1880,3140.2 v2(1880,3075)
  Bottom w10: v2(1710,2685) 1810,2785 1810,3005 v2(1880,3075)
NetR20_1: R20.1 U5.3 U6.16 | length 632.1
  Top w10: v2(1710,2735) 1715,2730 U5.3@1770,2730 1835,2730 1850,2745 R20.1@1894.02,2745 ; v2(1840,3075) 1847.64,3082.64 U6.16@1847.64,3117.83
  Bottom w10: v2(1710,2735) 1790,2815 1790,3025 v2(1840,3075)
NetR22_2: R22.2 U6.14 | length 186.3
  Top w10: U6.14@1808.27,3117.83 1808.27,3066.73 1840,3035 R22.2@1840,2944.69
NetR23_1: R23.1 U6.32 | length 78.3
  Top w10: U6.32@1877.17,3442.64 1897.64,3442.64 1910,3455 R23.1@1910,3495.32
NetR24_2: R24.2 U6.6 | length 194.2
  Top w10: U6.6@1650.79,3117.83 1650.79,3095.79 1630,3075 1630,3015 1660,2985 R24.2@1660,2945
  Top w16: R24.2@1660,2944.69 R24.2@1660,2945
NetR26_1: R26.1 U6.54 | length 415.4
  Top w10: R26.1@1389.69,3665 1415,3665 1450,3630 1450,3375 1480.79,3344.21 U6.54@1522.83,3344.21
NetR27_1: R27.1 U6.55 | length 394
  Top w10: R27.1@1389.69,3615 1420,3615 1430,3605 1430,3365 1470.47,3324.53 U6.55@1522.83,3324.53
NetR28_1: R28.1 U6.21 U7.12 | length 1231.4
  Top w10: U7.12@1768.9,2240 1815,2240 1830,2255 1830,2325 v2(1844,2345) R28.1@1894.02,2345 ; U6.21@1877.17,3226.1 1958.9,3226.1 v2(1960,3225)
  Bottom w10: v2(1844,2345) 1920,2421 1920,2995 1970,3045 1970,3215 v2(1960,3225)
NetR30_1: R30.1 U6.39 U7.13 | length 1847.3
  Top w10: v2(1720,3545) 1720,3505 1729.53,3494.53 U6.39@1729.53,3472.17 ; U7.13@1768.9,2190 1815,2190 v2(1845,2220) 1860,2235 ; 1860,2235 1884.02,2235 R30.1@1894.02,2245 1870,2245 1860,2235
  Bottom w10: v2(1720,3545) 1870,3545 1910,3505 1910,3315 1990,3235 1990,3035 1940,2985 1940,2315 v2(1845,2220)
NetR32_1: R32.1 U6.18 U7.14 | length 1252.5
  Top w10: U7.14@1768.9,2140 1773.9,2145 v2(1843,2145) R32.1@1894.02,2145 ; U6.18@1877.17,3167.05 1897.95,3167.05 1970,3095 v2(1970,2975)
  Bottom w10: v2(1843,2145) 1960,2262 1960,2935 1970,2945 v2(1970,2975)
NetR35_1: R35.1 U3.5 | length 490.9
  Top w10: R35.1@5456.73,2880 5676,2880 5717,2839 5717,2701 5731,2687 5786.1,2687 U3.5@5786.6,2687.5
NetR42_1: R42.1 U3.8 | length 364
  Top w10: R42.1@5456.73,2920 5672,2920 5754.5,2837.5 U3.8@5786.6,2837.5
NetR43_1: R43.1 U3.1 | length 117.2
  Top w5: R43.1@5457.23,2838.5 5571.75,2838.5 5572.74,2837.51 U3.1@5574,2837.5
NetR44_1: R44.1 U3.4 | length 113.8
  Top w5: R44.1@5460.19,2687.5 U3.4@5574,2687.5
NetR47_2: R47.2 U17.8 | length 206.9
  Top w10: U17.8@1467.2,2485 1490,2485 1500,2495 v2(1500,2505)
  Top w12: v2(1500,2375) 1500.32,2364.68 R47.2@1500.32,2345
  Bottom w12: v2(1500,2375) v2(1500,2505)
NetR53_1: R53.1 U4.6 | length 68.2
  Top w10: U4.6@2497.2,2395.16 2540.11,2395.16 v3(2541.27,2394)
  Bottom w15: v3(2541.27,2394) 2546,2398.73 R53.1@2563,2398.73
NetR54_1: R54.1 R55.2 U4.4 | length 76.7
  Top w10: R54.1@2381,2337.68 2381,2374.32 2382.16,2375.47 U4.4@2420.63,2375.47
NetR56_1: R56.1 R57.2 U1.8 | length 341.6
  Top w10: U1.8@4239.23,2125 4261.39,2125 4261.39,2124.39 4261.78,2124 v1(4283,2124) ; R56.1@4361.73,1995 R57.2@4361.73,2045 ; R57.2@4364.27,2048.44 4364.49,2048.22 R57.2@4364.64,2045.14 ; R56.1@4369,1995 v1(4405,1995)
  Route2 w10: v1(4283,2124) 4331,2124 4405,2050 v1(4405,1995)
NetR57_1: R57.1 R58.2 U1.5 | length 300.3
  Top w5: R58.2@4166.72,2197.78 4166.72,2073.28 4192,2048 U1.5@4235.33,2048
  Top w10: U1.5@4239.23,2048.23 4235.33,2048.23 4235.33,2048 4325.3,2048 4327.68,2048.41 R57.1@4327.85,2048.44
NetR63_1: R63.1 R64.2 U1.1 | length 317.7
  Top w10: v1(3920.84,1998) 3921.24,1997.6 R63.1@3948.8,1997.6 3949.21,1998.01 R64.2@3949.21,2047.09 ; R64.2@3945.84,2046.67 R64.2@3946.26,2047.09 ; v1(4010,2123) 4040,2123 4040,2125 4043,2125 4043,2126 4052.17,2124.83 4052.17,2125 U1.1@4066,2125
  Route2 w10: v1(3920.84,1998) 3946,2023.16 3946,2090 3979,2123 v1(4010,2123)
NetR64_1: R64.1 R65.2 U1.4 | length 278
  Top w5: U1.4@4071.23,2047 4103,2047 4119.44,2063.44 R65.2@4119.44,2198.45
  Top w10: R64.1@3985.63,2047.09 4066,2047.09 4066,2048.23 4071.23,2048.23 U1.4@4071.23,2047
NetU6_40: U6.40 U6.41 | length 19.7
  Top w10: U6.41@1690.16,3472.17 U6.40@1709.84,3472.17
PWM/BASED/DAC1: C36.2 J4.2 R36.2 | length 203.3
  Top w5: R36.2@3183.64,3339.97 3183.68,3358.01 C36.2@3183.68,3381.28 ; C36.2@3185.03,3381.93 C36.2@3183.68,3381.28 ; J4.2@3200,3535 3200,3446 3183.68,3429.68 C36.2@3183.68,3381.28
PWM/BASED/DAC2: C33.2 J4.1 R37.2 | length 202.3
  Top w5: J4.1@3300,3535 3300,3514 3314,3500 3314,3382.78 C33.2@3314.36,3382.42 ; R37.2@3311.66,3340.15 3311.66,3379.72 C33.2@3314.36,3382.42 ; C33.2@3314.66,3382.12 C33.2@3314.36,3382.42
PWM/BASED/DAC3: C34.2 J8.2 R40.2 | length 198.7
  Top w5: R40.2@5682.83,3346.87 5682.13,3347.17 5682.13,3385.83 5685.09,3385.91 5687,3385.96 5687,3429 5700,3442 J8.2@5700,3535
PWM/BASED/DAC4: C35.2 J8.1 R41.2 | length 201.7
  Top w5: J8.1@5800,3535 5800,3453 5813,3440 5813,3386.31 5812.87,3385.17 5812.87,3344.83 R41.2@5806.83,3343.87
PWREN#: U6.60
RESET#: C39.1 J2.6 J6.6 R6.1 S3.2 TP1.TP U14.F19 | length 3357.8
  Top w5: J2.6@2800,3635 2800,3675 2857,3732 3406,3732 ; TP1.TP@3405.33,3703.43 3405.33,3731.33 3406,3732 ; C39.1@3473.73,3715.42 3473.73,3731.27 3473,3732 ; S3.2@3705.69,3732.31 3609.5,3732 3473,3732 ; U14.F19@4387.5,3132.98 4400.98,3132.98 v1(4405,3137) ; 3406,3732 3473,3732
  Top w16: R6.1@3403.97,3616.73 3403.97,3702.06 TP1.TP@3405.33,3703.43
  Route1 w5: S3.2@3705.69,3732.31 3877,3561 4056,3561 4117,3500 v1(4333,3500) 4773,3500 4823,3450 5210,3450 5250,3490 5250,3580.14 5300,3630.14 J6.6@5300,3635
  Route2 w5: v1(4333,3500) 4333,3277 4405,3205 v1(4405,3137)
SUSPEND#: U6.36
TCK: R20.2 U5.14 U14.V15 | length 2536.4
  Top w5: U5.14@2131.1,2730 U5.14@2144.02,2730 v1(2200,2730) ; v1(4206,2545) 4277,2616 4277,2741.5 4262.97,2755.03 U14.V15@4261.52,2755.03
  Top w10: R20.2@2005.98,2745 2060,2745 2075,2730 U5.14@2131.1,2730
  Bottom w5: v1(2200,2730) 2200,2718.5 2269.5,2649 3144,2649 3164,2629 3532,2629 3616,2545 v1(4206,2545)
TDI: R19.2 U5.13 U14.W13 | length 2445.6
  Top w5: U5.13@2131.1,2680 U5.13@2144.02,2680 v1(2195,2680) ; v1(4025,2470) 4025,2497 4198,2670 4198,2723.01 U14.W13@4198.53,2723.54
  Top w10: R19.2@2005.98,2645 2050,2645 2085,2680 U5.13@2131.1,2680
  Bottom w5: v1(2195,2680) 2199,2680 2246,2633 3136,2633 3277,2492 3943,2492 3966,2470 v1(4025,2470)
TDO: R32.2 U7.3 U14.W15 | length 2648.6
  Top w5: U7.3@2131.1,2140 U7.3@2137.01,2140 2195.5,2140 v1(2200,2139.5) ; v1(4080,2330) 4116,2366 4116,2484 4261.52,2629.52 U14.W15@4261.52,2723.54
  Top w10: R32.2@2005.98,2145 2126.1,2145 U7.3@2131.1,2140
  Bottom w5: v1(2200,2139.5) 2544.5,2139.5 2765,2360 3890,2360 3920,2330 v1(4080,2330)
TMS: R18.2 U5.12 U14.W14 | length 2517.9
  Top w5: U5.12@2131.1,2630 2143.22,2626.89 2144.72,2627.27 2155.33,2630 2185,2630 v1(2195,2620) ; v1(4076,2450) 4082,2456 4082,2499 4230.02,2647.02 U14.W14@4230.02,2723.54
  Top w10: R18.2@2005.98,2545 2090.98,2630 U5.12@2131.1,2630
  Bottom w5: v1(2195,2620) 3125,2620 3268.15,2476.85 3935.99,2476.85 3962.85,2450 v1(4076,2450)
TRST: R10.2 S1.3 U14.V14 | length 1240.9
  Top w5: R10.2@3332.5,2735.23 3332.5,2629 3316.23,2612.73 S1.3@3324.31,2615.73 3327.54,2612.5 3379.82,2611.96 v1(3393,2598.5) ; v1(4060,2504) 4214,2658 4214,2739 U14.V14@4230.02,2755.03
  Bottom w5: v1(3393,2598.5) 3541.5,2598.5 3619.5,2520.5 3964.5,2520.5 3982,2504 v1(4060,2504)
USBVCC: C44.1 F1.2 JP3.1 U17.2 U17.3 | length 263
  Top w10: C44.1@1266.38,2445.63 U17.3@1388.03,2445.63 ; C44.1@1280.32,2465.32 U17.2@1388.03,2465.32
  Top w12: C44.1@1260,2452.01 C44.1@1266.38,2445.63 ; C44.1@1260,2455 1270,2465 1280,2465 C44.1@1280.32,2465.32
  other v1: 1219,2408 1254,2408 1288,2408 1187,2409
VDD: C42.2 C46.2 C47.2 C48.2 C49.2 C75.2 C76.2 C77.2 C78.2 C81.2 L11.2 U14.E9 U14.E11 U14.F9 U14.F11 U14.G14 U14.G15 U14.J14 U14.J15 U14.K5 U14.K6 U14.P10 U14.P13 U14.R10 U14.R13 | length 745.5
  Top w5: v1(3962,3023) 3962,3021 3954.56,3013.56 U14.K5@3946.56,3007 3949,3007 U14.K6@3978.06,3007 ; U14.F9@4072.54,3132.98 U14.E9@4072.54,3164.48 4073.52,3164.48 v1(4088,3150) ; v1(4088,2865) U14.P10@4104.04,2881.02 ; v1(4089,2834) 4099.52,2844.52 U14.R10@4104.04,2849.52 U14.P10@4104.04,2881.02 4108.02,2886.02 v1(4119,2898) ; U14.F11@4135.54,3132.98 U14.E11@4135.54,3164.48 4136.52,3164.48 v1(4152,3149) ; v1(4183,2865) U14.P13@4198.53,2880.53 ; U14.R13@4198.53,2849.52 U14.P13@4198.53,2880.53 ; U14.P13@4198.53,2881.02 U14.P13@4198.53,2880.53 ; v1@4212,3022 4228.5,3038.5 U14.J15@4261.52,3038.5 ; U14.G14@4230.02,3101.49 U14.G14@4230.51,3101.49 ; v1(4246,3086) U14.G14@4230.51,3101.49 ; U14.G15@4261.52,3101.49 U14.G14@4230.51,3101.49
  Top w10: U14.K5@3949,3007 3962,3020 v1@3962,3021 ; v1(3962,3023) 3963,3023 v1@3964,3022
  Bottom w5: v1(4119,2898) v1@4120,2898.92
  Bottom w10: C46.2@4216.28,3045.42 C46.2@4216.29,3045.58
  Bottom w12: v1(4183,2865) 4183.39,2865.39 C47.2@4224.03,2865.39
  Bottom w15: v1(3962,3023) 3965,3020 C49.2@3993.27,3020 ; C42.2@4086.73,2810 4086.73,2831.73 v1(4089,2834) ; v1(4088,2865) 4108.27,2865 C78.2@4113.27,2860 ; v1(4088,3150) 4095,3143 C77.2@4095,3116.73 ; v1(4119,2898) 4120,2899 C75.2@4120,2933.27 ; C48.2@4145,3120 4145,3142 v1(4152,3149) ; v1(4212,3023) 4216.73,3027.73 C46.2@4216.73,3045 ; v1(4246,3086) 4265,3105 C76.2@4283.27,3105
  other v1: 2414,2202 2544,2202 2486,2203
VDDA: C27.2 C28.2 C30.2 L3.2 U14.P6 U14.R6 | length 289.3
  Top w5: v1(3962,2832.5) 3962,2834 3977.52,2849.52 U14.R6@3978.06,2849.52 ; v1(3963,2866) U14.P6@3978.02,2881.02
  Top w10: v1(3963,2866) 3978.06,2850.94 U14.R6@3978.06,2849.52
  Bottom w5: v1(3962,2832.5) 3962,2834.12 v1@3963,2835.12
  Bottom w10: L3.2@3898.11,2900 3919.99,2878.12 3929.85,2868.27 C27.2@3940,2868.27 3940,2858 3962,2836 v1@3962,2834.12 ; v1@3964.98,2867.98 3986.36,2867.98 3987.37,2868.98 C30.2@3987.37,2904.5
  Bottom w15: v1@3964.98,2867.98 3965.13,2867.83 C28.2@3989.17,2867.83 3989.17,2902.7 C30.2@3987.37,2904.5